# KiCad board peripheral_board_v1a.kicad_pcb (continued)
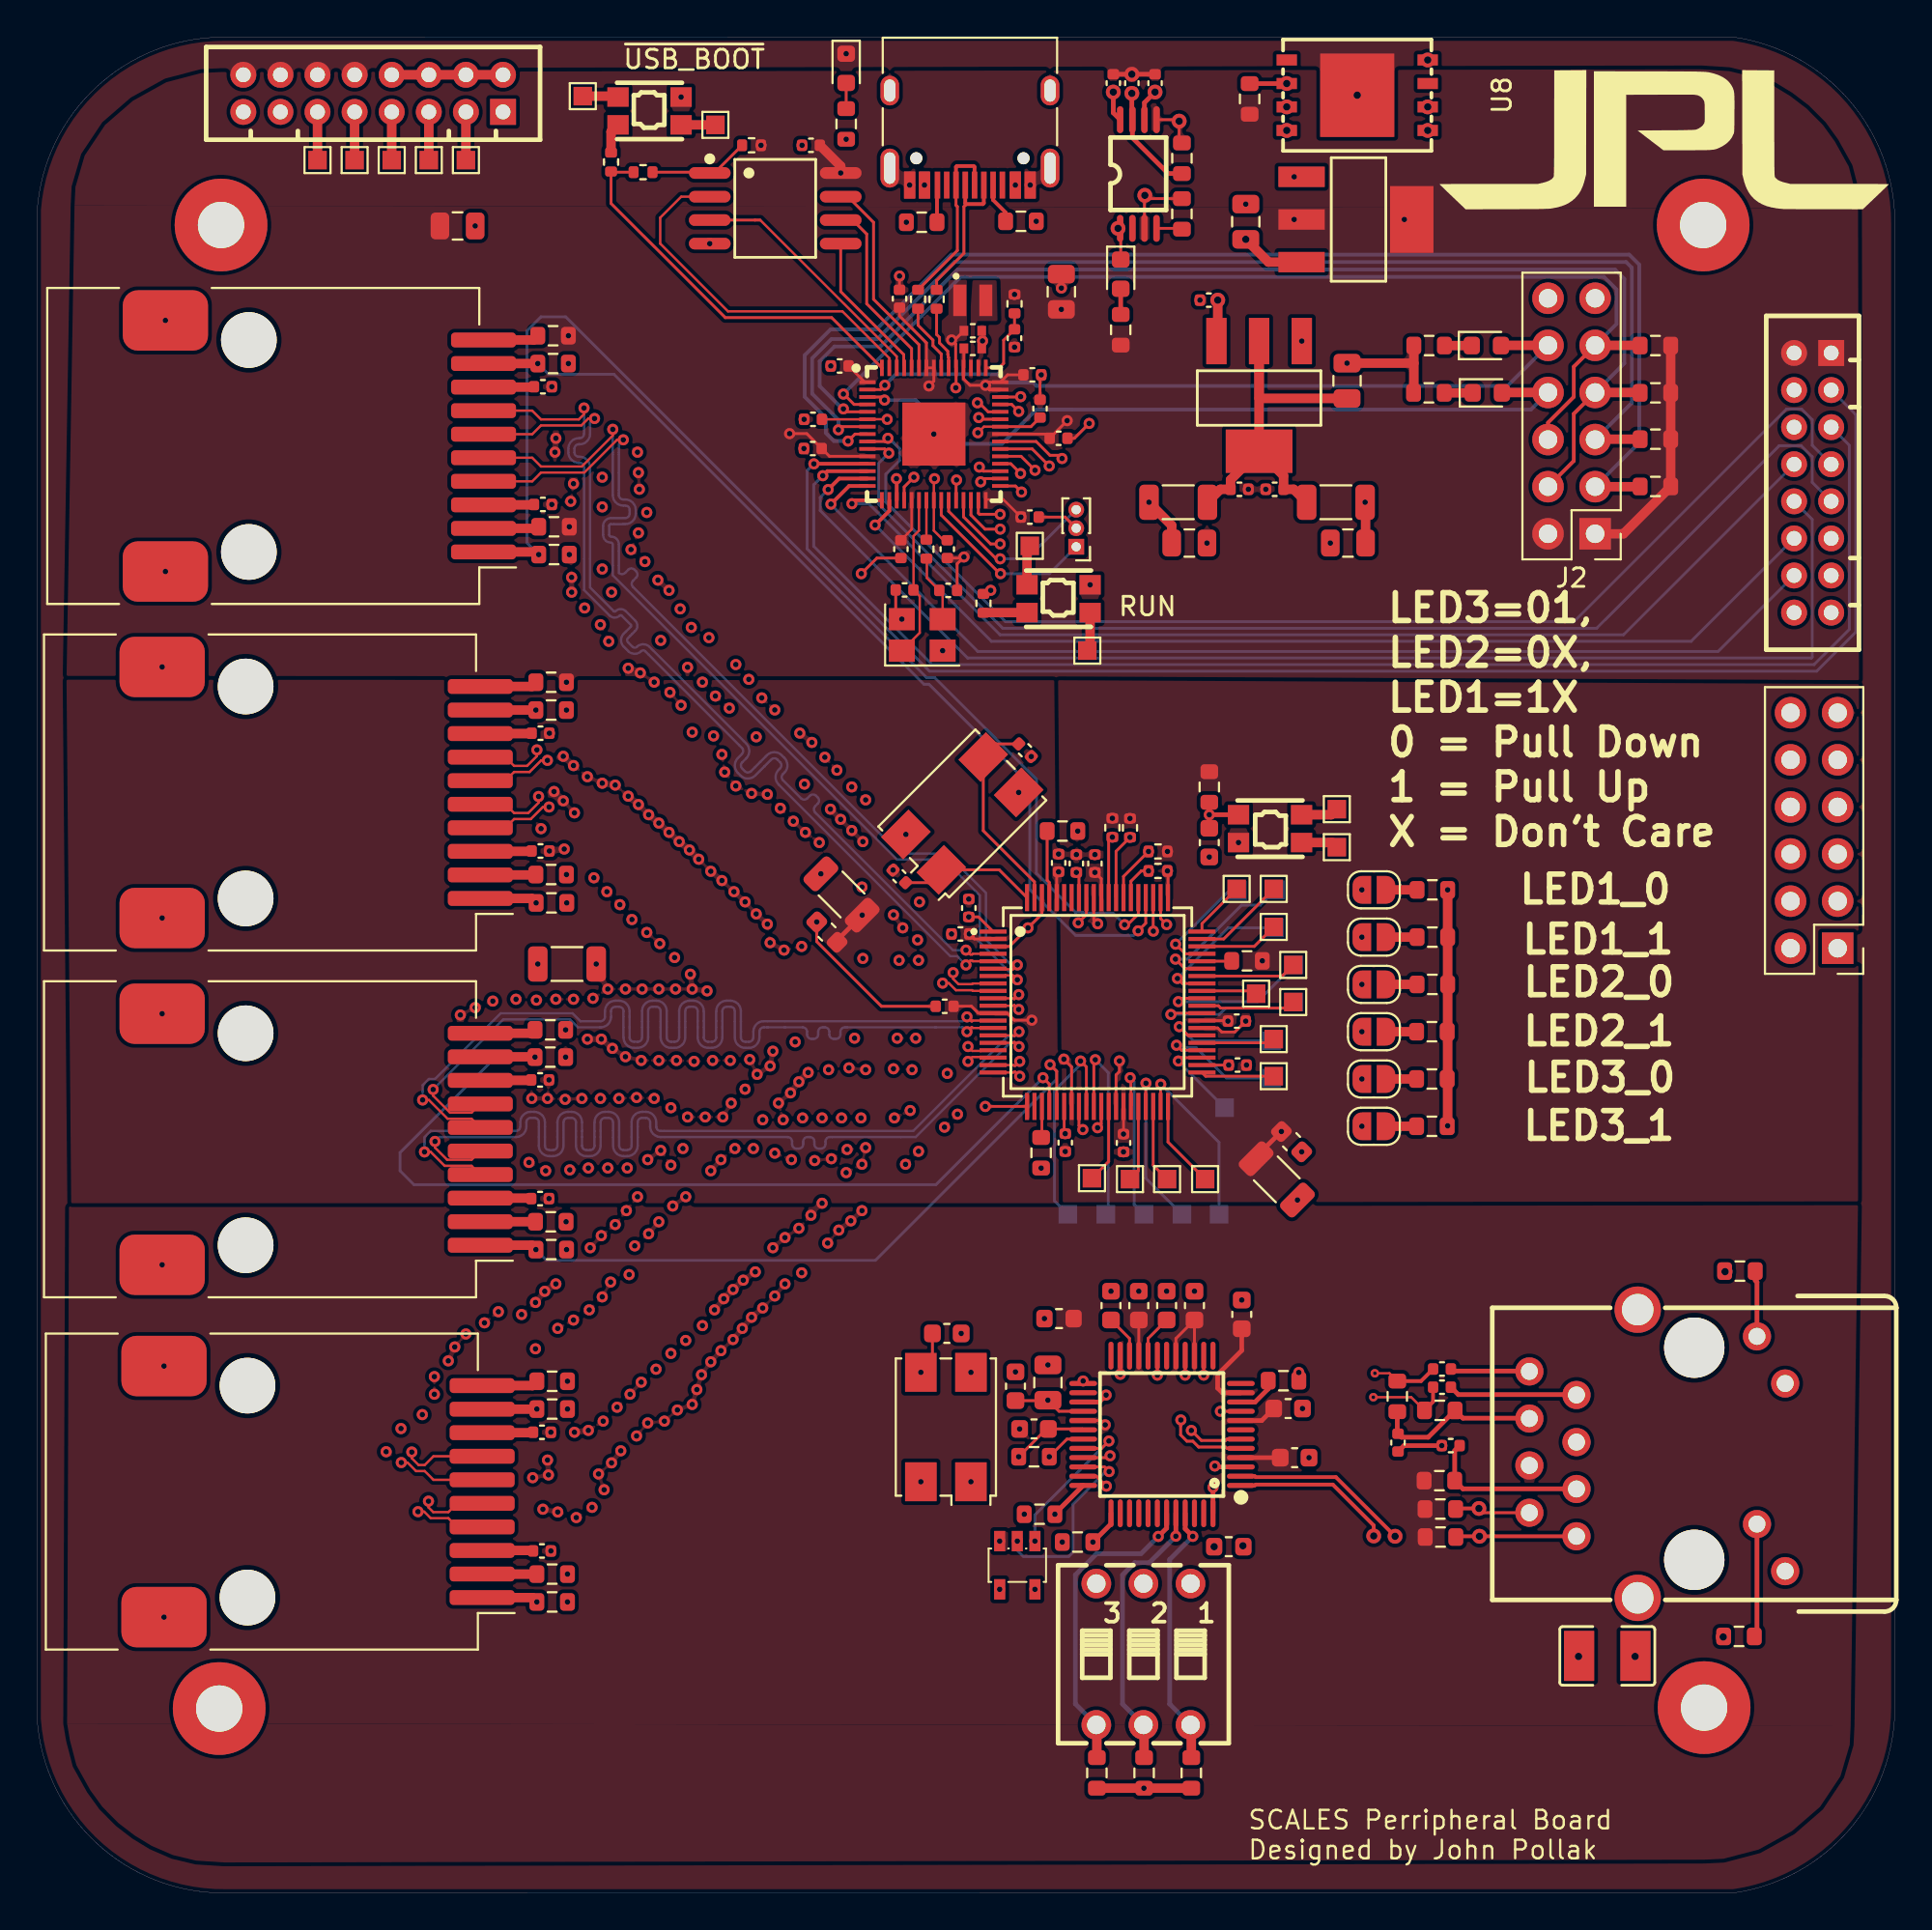
[diagram p0: board, top side]
## Library data of the parts (continued)
R39 = -: Description: Resistor, US symbol; LCSC: C25104; ki_fp_filters: R_*
R40-R45 = -: Description: Resistor, US symbol; Tolerance: 1%; LCSC: C23241; ki_fp_filters: R_*
R64 = -: Description: Resistor, US symbol; LCSC: C849792; ki_fp_filters: R_*
R65 = -: Description: Resistor, US symbol; LCSC: C394473; ki_fp_filters: R_*
RJ1 = -: Datasheet: https://lcsc.com/product-detail/Ethernet-Connectors-Modular-Connectors-RJ45-RJ11_WIZNET-RB1-125BAG1A_C910370.html; LCSC Part: C910370
SW1 SW2 SW4 = -: Datasheet: https://lcsc.com/product-detail/Tactile-Switches_PANASONIC_EVPAA602W_Switch-3-5-2-9-1-7Plastic-head-3-5N-0-15mm-SMD_C79148.html; LCSC Part: C79148
SW3 = -: Datasheet: https://lcsc.com/product-detail/DIP-Switches_HanElectricity-DS-03R_C25503178.html?s_z=n_C25503178; Description: 3 SPST Slide, Rocked Plugin-6P,9.1x9.9mm DIP Switches ROHS; LCSC Part: C25503178
TP1-TP36 = -: Description: test point; ki_fp_filters: Pin* Test*
U1 = -: Datasheet: https://jlcpcb.com/partdetail/RaspberryPi-RP2350A/C42411118; LCSC Part: C42411118; Hardware Guide: extension://efaidnbmnnnibpcajpcglclefindmkaj/https://datasheets.raspberrypi.com/rp2350/hardware-design-with-rp2350.pdf
U2 = -: Datasheet: https://lcsc.com/product-detail/Low-Dropout-Regulators-LDO_DIODES_AZ1117CH-3-3TRG1_AZ1117CH-3-3TRG1_C92102.html; LCSC Part: C92102
U3 = -: Datasheet: https://lcsc.com/product-detail/FLASH_W25Q128JVSIQTR_C97521.html; LCSC Part: C97521
U4 = -: Datasheet: https://lcsc.com/product-detail/Ethernet-ICs_WIZNET_W5500_W5500_C32843.html; LCSC Part: C32843
U5 = -: Datasheet: https://lcsc.com/product-detail/74-Series_TI_SN74AHC1G125DBVR_SN74AHC1G125DBVR_C7468.html; Description: Single Bus Buffer Gate with 3-State Output; LCSC Part: C7468
U6 = -: Datasheet: https://lcsc.com/product-detail/Ethernet-ICs_MICROCHIP_KSZ8795CLXIC_KSZ8795CLXIC_C69416.html; LCSC Part: C69416
U7 = -: Datasheet: https://lcsc.com/product-detail/Low-Dropout-Regulators-LDO_Diodes-Incorporated-AZ1117CH-1-2TRG1_C507895.html; LCSC Part: C507895
U8 = -: Datasheet: https://lcsc.com/product-detail/NAND-FLASH_XTX-XTSDG08GWSIGA_C25836657.html?s_z=n_XTSD; Description: 2.7V~3.6V 50MHz 8Gbit WSON-8-EP(6x8) NAND FLASH ROHS; LCSC Part: C25836657; LCSC Datasheet: https://lcsc.com/datasheet/lcsc_datasheet_2409301733_XTX-XTSDG08GWSIGA_C25836657.pdf; Used for: SD NAND Flash Memory
U9 = -: Datasheet: https://lcsc.com/product-detail/Others_Texas-Instruments_TPS2115APW_Texas-Instruments-TI-TPS2115APW_C70287.html; Description: 2A 2.8V~5.5V TSSOP-8 AC-DC Controllers and Regulators ROHS; LCSC Part: C70287
Y1 = -: Description: Four pin crystal, GND on pins 2 and 4; LCSC: C20625731; ki_fp_filters: Crystal*
Y2 = -: Datasheet: https://jlcpcb.com/partdetail/AbraconLlc-ABMM_25_000MHZ_B2T/C596927; Description: Four pin crystal, GND on pins 2 and 4; Type: ABMM-25.000MHZ-B2-T; LCSC: C596927; ki_fp_filters: Crystal*
Y3 = -: Description: Four pin crystal, GND on pins 2 and 4; ki_fp_filters: Crystal*

## Footprints (pads in the part's own frame, mm; a bottom-side part is the same pattern mirrored in y, then rotated)
C1210
  rect 1.63x2.7 smd: 1(-1.52,0) 2(1.52,0)
C_0402_1005Metric
  rrect 0.56x0.62 smd: 1(-0.48,0) 2(0.48,0)
C_0402_1005Metric_small_pads
  rect 0.47x0.53 smd: 1(-0.48,0) 2(0.48,0)
C_0603_1608Metric
  rrect 0.9x0.95 smd: 1(-0.775,0) 2(0.775,0)
C_0805_2012Metric
  rrect 1x1.45 smd: 1(-0.95,0) 2(0.95,0)
CONN-TH_DF11-16DP-2DSA-08
  rect 1.4x1.4 hole 0.8: 1(7,-1)
  round 1.4 hole 0.8: 2(7,1) 3(5,-1) 4(5,1) 5(3,-1) 6(3,1) 7(1,-1) 8(1,1) 9(-1,-1) 10(-1,1) 11(-3,-1) 12(-3,1) 13(-5,-1) 14(-5,1) 15(-7,-1) 16(-7,1)
Crystal_SMD_3225-4Pin_3.2x2.5mm
  rect 1.4x1.2 smd: 1(-1.1,-0.85) 2(1.1,-0.85) 3(1.1,0.85) 4(-1.1,0.85)
Crystal_SMD_7050-4Pin_7.0x5.0mm
  rect 2.1x1.7 smd: 1(-2.95,-1.35) 2(2.95,-1.35) 3(2.95,1.35) 4(-2.95,1.35)
IND-SMD_L2.0-W1.6_AOTA-B201610S3R3-101-T
  rect 0.7x1.7 smd: 1(-0.65,-0.05) 2(0.75,-0.05)
KEY-TH_4P-L3.5-W4.9-P2.80-LS4.3
  rect 1.15x1.05 smd: 1(-1.7,0.75) 1'(1.7,0.75) 2(-1.7,-0.75) 2'(1.7,-0.75)
L_0603_1608Metric
  rrect 0.875x0.95 smd: 1(-0.787,0) 2(0.787,0)
L_1206_3216Metric
  rrect 1.05x1.9 smd: 1(-1.575,0) 2(1.575,0)
LED_0603_1608Metric
  rrect 0.875x0.95 smd: 1(-0.787,0) 2(0.787,0)
LQFP-48_L7.0-W7.0-P0.50-LS9.0-BL
  oval 0.27x1.5 smd: 1(-2.75,-4.25) 2(-2.25,-4.25) 3(-1.75,-4.25) 4(-1.25,-4.25) 5(-0.75,-4.25) 6(-0.25,-4.25) 7(0.25,-4.25) 8(0.75,-4.25) 9(1.25,-4.25) 10(1.75,-4.25) 11(2.25,-4.25) 12(2.75,-4.25) 25(2.75,4.25) 26(2.25,4.25) 27(1.75,4.25) 28(1.25,4.25) 29(0.75,4.25) 30(0.25,4.25) 31(-0.25,4.25) 32(-0.75,4.25) 33(-1.25,4.25) 34(-1.75,4.25) 35(-2.25,4.25) 36(-2.75,4.25)
  oval 1.5x0.27 smd: 13(4.25,-2.75) 14(4.25,-2.25) 15(4.25,-1.75) 16(4.25,-1.25) 17(4.25,-0.75) 18(4.25,-0.25) 19(4.25,0.25) 20(4.25,0.75) 21(4.25,1.25) 22(4.25,1.75) 23(4.25,2.25) 24(4.25,2.75) 37(-4.25,2.75) 38(-4.25,2.25) 39(-4.25,1.75) 40(-4.25,1.25) 41(-4.25,0.75) 42(-4.25,0.25) 43(-4.25,-0.25) 44(-4.25,-0.75) 45(-4.25,-1.25) 46(-4.25,-1.75) 47(-4.25,-2.25) 48(-4.25,-2.75)
LQFP-80_L10.0-W10.0-P0.40-LS12.2-BL
  rect 0.22x1.46 smd: 1(-3.8,-5.63) 2(-3.4,-5.63) 3(-3,-5.63) 4(-2.6,-5.63) 5(-2.2,-5.63) 6(-1.8,-5.63) 7(-1.4,-5.63) 8(-1,-5.63) 9(-0.6,-5.63) 10(-0.2,-5.63) 11(0.2,-5.63) 12(0.6,-5.63) 13(1,-5.63) 14(1.4,-5.63) 15(1.8,-5.63) 16(2.2,-5.63) 17(2.6,-5.63) 18(3,-5.63) 19(3.4,-5.63) 20(3.8,-5.63) 41(3.8,5.63) 42(3.4,5.63) 43(3,5.63) 44(2.6,5.63) 45(2.2,5.63) 46(1.8,5.63) 47(1.4,5.63) 48(1,5.63) 49(0.6,5.63) 50(0.2,5.63) 51(-0.2,5.63) 52(-0.6,5.63) 53(-1,5.63) 54(-1.4,5.63) 55(-1.8,5.63) 56(-2.2,5.63) 57(-2.6,5.63) 58(-3,5.63) 59(-3.4,5.63) 60(-3.8,5.63)
  rect 1.46x0.22 smd: 21(5.63,-3.8) 22(5.63,-3.4) 23(5.63,-3) 24(5.63,-2.6) 25(5.63,-2.2) 26(5.63,-1.8) 27(5.63,-1.4) 28(5.63,-1) 29(5.63,-0.6) 30(5.63,-0.2) 31(5.63,0.2) 32(5.63,0.6) 33(5.63,1) 34(5.63,1.4) 35(5.63,1.8) 36(5.63,2.2) 37(5.63,2.6) 38(5.63,3) 39(5.63,3.4) 40(5.63,3.8) 61(-5.63,3.8) 62(-5.63,3.4) 63(-5.63,3) 64(-5.63,2.6) 65(-5.63,2.2) 66(-5.63,1.8) 67(-5.63,1.4) 68(-5.63,1) 69(-5.63,0.6) 70(-5.63,0.2) 71(-5.63,-0.2) 72(-5.63,-0.6) 73(-5.63,-1) 74(-5.63,-1.4) 75(-5.63,-1.8) 76(-5.63,-2.2) 77(-5.63,-2.6) 78(-5.63,-3) 79(-5.63,-3.4) 80(-5.63,-3.8)
MountingHole_2.5mm_Pad
  round 5 hole 2.5: 1(0,0)
PinHeader_1x03_P1.00mm_Vertical
  rect 0.85x0.85 hole 0.5: 1(0,0)
  round 0.85 hole 0.5: 2(0,-1) 3(0,-2)
PinHeader_2x06_P2.54mm_Vertical
  rect 1.7x1.7 hole 1: 1(0,0)
  round 1.7 hole 1: 2(2.54,0) 3(0,-2.54) 4(2.54,-2.54) 5(0,-5.08) 6(2.54,-5.08) 7(0,-7.62) 8(2.54,-7.62) 9(0,-10.16) 10(2.54,-10.16) 11(0,-12.7) 12(2.54,-12.7)
QFN-60_L7.0-W7.0-P0.40-TL-EP3.4
  rect 0.88x0.2 smd: 1(-3.58,2.8) 2(-3.58,2.4) 3(-3.58,2) 4(-3.58,1.6) 5(-3.58,1.2) 6(-3.58,0.8) 7(-3.58,0.4) 8(-3.58,0) 9(-3.58,-0.4) 10(-3.58,-0.8) 11(-3.58,-1.2) 12(-3.58,-1.6) 13(-3.58,-2) 14(-3.58,-2.4) 15(-3.58,-2.8) 31(3.58,-2.8) 32(3.58,-2.4) 33(3.58,-2) 34(3.58,-1.6) 35(3.58,-1.2) 36(3.58,-0.8) 37(3.58,-0.4) 38(3.58,0) 39(3.58,0.4) 40(3.58,0.8) 41(3.58,1.2) 42(3.58,1.6) 43(3.58,2) 44(3.58,2.4) 45(3.58,2.8)
  rect 0.2x0.88 smd: 16(-2.8,-3.57) 17(-2.4,-3.57) 18(-2,-3.57) 19(-1.6,-3.57) 20(-1.2,-3.57) 21(-0.8,-3.57) 22(-0.4,-3.57) 23(0,-3.57) 24(0.4,-3.57) 25(0.8,-3.57) 26(1.2,-3.57) 27(1.6,-3.57) 28(2,-3.57) 29(2.4,-3.57) 30(2.8,-3.57) 46(2.8,3.57) 47(2.4,3.57) 48(2,3.57) 49(1.6,3.57) 50(1.2,3.57) 51(0.8,3.57) 52(0.4,3.57) 53(0,3.57) 54(-0.4,3.57) 55(-0.8,3.57) 56(-1.2,3.57) 57(-1.6,3.57) 58(-2,3.57) 59(-2.4,3.57) 60(-2.8,3.57)
  rect 3.4x3.4 smd: 61(0,0)
R_0402_1005Metric
  rrect 0.54x0.64 smd: 1(-0.51,0) 2(0.51,0)
R_0603_1608Metric
  rrect 0.8x0.95 smd: 1(-0.825,0) 2(0.825,0)
RJ45-TH_RB1-125BAG1A
  round 3.25 hole 3.25: (-5.72,-1.99) (5.72,-1.99)
  round 1.52 hole 0.914: 1(-4.45,4.36) 2(-3.18,6.9) 3(-1.9,4.36) 4(-0.63,6.9) 5(0.63,4.36) 6(1.9,6.9) 7(3.17,4.36) 8(4.44,6.9) 9(-3.79,-5.37) 10(-6.33,-6.89) 11(6.33,-5.37) 12(3.79,-6.89)
  round 2.5 hole 1.7: 13(-7.77,1.06) 14(7.77,1.06)
RJ45_Pulse_JXD6-0001NL_Horizontal
  round 3 hole 3 unplated: (0.775,5.715) (0.775,-5.715)
  rrect 3.5x0.8 smd: 1(-11.875,5.715) 2(-11.875,4.445) 3(-11.875,3.175) 4(-11.875,1.905) 5(-11.875,0.635) 6(-11.875,-0.635) 7(-11.875,-1.905) 8(-11.875,-3.175) 9(-11.875,-4.445) 10(-11.875,-5.715)
  rrect 4.6x3.26 smd: SH(5.275,6.77) SH(5.275,-6.77)
SOIC-8_L5.3-W5.3-P1.27-LS8.0-BL
  oval 0.63x2.25 smd: 1(-1.91,-3.53) 2(-0.63,-3.53) 3(0.63,-3.53) 4(1.9,-3.53) 5(1.9,3.53) 6(0.63,3.53) 7(-0.63,3.53) 8(-1.91,3.53)
SolderJumper-2_P1.3mm_Open_RoundedPad1.0x1.5mm
  custom 1x1.5 smd: 1(-0.65,0) 2(0.65,0)
SOT-23-5_L3.0-W1.7-P0.95-LS2.8-BR
  rect 1.1x0.6 smd: 1(1.3,-0.95) 2(1.3,0) 3(1.3,0.95) 4(-1.3,0.95) 5(-1.3,-0.95)
SOT-223-3_L6.5-W3.4-P2.30-LS7.0-BR
  rect 2.5x1.1 smd: 1(2.97,-2.3) 2(2.97,0) 3(2.97,2.3)
  rect 2.34x3.6 smd: 4(-2.97,0)
SW-TH_DSWB03LHGET
  round 1.6 hole 1: 1(-2.54,3.81) 2(0,3.81) 3(2.54,3.81) 4(-2.54,-3.81) 5(0,-3.81) 6(2.54,-3.81)
TestPoint_Pad_1.0x1.0mm
  rect 1x1 smd: 1(0,0)
TSSOP-8_L4.4-W3.0-P0.65-LS6.4-BL
  oval 0.35x1.45 smd: 1(-0.98,-2.93) 2(-0.32,-2.93) 3(0.33,-2.93) 4(0.98,-2.93) 5(0.98,2.93) 6(0.33,2.93) 7(-0.32,2.93) 8(-0.98,2.93)
USB_C_Receptacle_HRO_TYPE-C-31-M-12
  round 0.65 hole 0.65 unplated: (-2.89,2.6) (2.89,2.6)
  rect 0.6x1.45 smd: A1(-3.25,4.045) A4(-2.45,4.045) A9(2.45,4.045) A12(3.25,4.045) B1(3.25,4.045) B4(2.45,4.045) B9(-2.45,4.045) B12(-3.25,4.045)
  rect 0.3x1.45 smd: A5(-1.25,4.045) A6(-0.25,4.045) A7(0.25,4.045) A8(1.25,4.045) B5(1.75,4.045) B6(0.75,4.045) B7(-0.75,4.045) B8(-1.75,4.045)
  oval 1x2.1 hole 0.6x1.7: S1(-4.32,3.13) S1(4.32,3.13)
  oval 1x1.6 hole 0.6x1.2: S1(-4.32,-1.05) S1(4.32,-1.05)
W-PDFN-8_L8.0-W6.0-P1.27-BL-EP
  rect 0.6x1.1 smd: 1(-1.9,-3.8) 2(-0.63,-3.8) 3(0.63,-3.8) 4(1.9,-3.8) 5(1.9,3.8) 6(0.63,3.8) 7(-0.63,3.8) 8(-1.9,3.8)
  rect 4.5x4 smd: 9(0,0)

## Nets
3V3A: C24.2 C25.2 C27.2 C28.2 C30.2 FB1.2 R30.2 R31.2 R32.2 U4.4 U4.8 U4.11 U4.15 U4.17 U4.21
+1V1: C2.1 C3.1 C6.1 C8.1 L1.1 U1.6 U1.23 U1.39 U1.50
+3V3: C1.1 C9.1 C10.1 C11.1 C12.1 C13.1 C14.1 C15.1 C17.2 C18.1 C19.1 C22.2 C23.2 CN2.1 CN2.2 FB1.1 FB5.1 FB7.1 J2.1 J2.2 J3.1 J3.2 R2.2 R7.2 R9.2 R10.2 R12.2 R14.1 R19.2 R20.2 R21.2 R22.2 R23.2 R27.2 R29.1 R47.2 R49.2 R51.2 R53.2 R55.2 R57.2 R59.2 R61.2 R63.1 R66.2 U1.1 U1.11 U1.20 U1.30 U1.38 U1.44 U1.45 U1.49 U1.53 U1.54 U2.2 U2.4 U3.8 U4.28 U5.5 U8.8
GND: C1.2 C2.2 C3.2 C4.1 C5.1 C6.2 C7.2 C8.2 C9.2 C10.2 C11.2 C12.2 C13.2 C14.2 C15.2 C16.1 C17.1 C18.2 C19.2 C22.1 C23.1 C26.1 C29.1 C34.2 C36.1 C37.1 C38.1 C39.1 C40.1 C41.1 C42.1 C43.1 C44.1 C45.2 C46.2 C47.1 C48.1 C49.1 C50.1 C51.2 C52.1 C53.2 C54.1 C55.1 C56.2 C57.2 C58.2 C59.2 C60.2 C61.2 C62.2 C63.2 C64.2 C65.2 C66.2 C67.1 CN1.10 CN1.12 CN1.14 CN1.16 CN2.15 CN2.16 D1.1 FB2.1 FB3.2 J1.2 J2.11 J2.12 J3.11 J3.12 J4.A1 J4.A12 J4.B1 J4.B12 J4.S1 R11.2 R13.2 R16.1 R17.1 R35.2 R39.1 R40.2 R41.2 R42.2 R43.2 R44.2 R45.2 R48.2 R50.2 R52.2 R54.2 R56.2 R58.2 R60.2 R62.2 R64.1 R65.1 RJ1.4 RJ1.5 SW1.2 SW2.2 SW3.4 SW3.5 SW3.6 SW4.2 U1.47 U1.61 U2.1 U3.4 U4.23 U4.29 U5.3 U6.3 U6.21 U6.27 U6.33 U6.47 U6.61 U6.71 U6.78 U7.1 U8.4 U8.9 U9.3 U9.5 Y1.2 Y1.4 Y2.2 Y2.4 Y3.2 Y3.4
GNDA: C20.2 C21.2 C24.1 C25.1 C27.1 C28.1 C30.1 C31.1 C35.1 FB2.2 R18.1 U4.3 U4.9 U4.14 U4.16 U4.19 U4.48
VBUS: C65.1 J4.A4 J4.A9 J4.B4 J4.B9 R8.2 U9.8
VDDAT: C38.2 C39.2 C41.2 C53.1 FB5.2 U6.2 U6.12 U6.76
VDDIO: C37.2 C44.2 C47.2 C56.1 FB7.2 R33.1 R34.1 R36.2 R37.2 R38.2 R46.1 U6.34 U6.48 U6.70
1.2A: C40.2 C54.2 FB4.2 U6.1
1.2D: C36.2 C42.2 C43.2 C55.2 FB6.2 U6.26 U6.42 U6.73
/Raspberry_pi/ QSPI_SS: R1.1 R15.1 U1.60
/Raspberry_pi/FLASH_SS: R15.2 R63.2 U3.1
/Raspberry_pi/QSPI_DATA_0: U1.57 U3.5
/Raspberry_pi/QSPI_DATA_1: U1.59 U3.2
/Raspberry_pi/QSPI_DATA_2: U1.58 U3.3
/Raspberry_pi/QSPI_DATA_3: U1.55 U3.7
/Raspberry_pi/QSPI_SCK: U1.56 U3.6
/Raspberry_pi/~{USB_BOOT}: R1.2 SW1.1'
CGND: C34.1 RJ1.13 RJ1.14
Chassis_GND: FB3.1 J5.SH J6.SH J7.SH J8.SH
D+: J4.A6 J4.B6 R5.1
D-: J4.A7 J4.B7 R6.1
GPIO14: CN1.13 U1.18
GPIO15: CN1.15 U1.19
GPIO22: J3.3 U1.34
GPIO23: J3.5 U1.35
GPIO24: J3.7 U1.36
GPIO25: J3.9 U1.37
GPIO28_ADC2: J3.8 U1.42
GPIO29_ADC3: J3.10 U1.43
GREEN_LED: RJ1.10 U4.25
I2C0_SCL: J2.3 R7.1 U1.8
I2C0_SDA: J2.5 R9.1 U1.7
I2C1_SCL: J2.4 J2.7 R10.1 U1.5
I2C1_SDA: J2.6 J2.9 R12.1 U1.4
INTn: R23.1 U1.33 U4.36
INTR_N: R33.2 U6.23
LED1_0: J5.1 JP1.1 R50.1 U6.65
LED1_1: J5.9 JP2.1 R48.1 U6.64
LED2_0: J6.1 JP3.1 R54.1 U6.63
LED2_1: J6.9 JP4.1 R52.1 U6.62
LED3_0: J7.1 JP5.1 R58.1 U6.25
LED3_1: J7.9 JP6.1 R56.1 U6.24
LED4_0: J8.1 R62.1 U6.31
LED4_1: J8.9 R60.1 U6.28
PME_N: R34.2 U6.56
PMODE0: R21.1 SW3.1 U4.45
PMODE1: R20.1 SW3.2 U4.44
PMODE2: R19.1 SW3.3 U4.43
R1CT: C58.1 J5.8
R2CT: C60.1 J6.8
R3CT: C62.1 J7.8
R4CT: C64.1 J8.8
RCT: C31.2 R26.1 R28.1 RJ1.6
RST_N: C51.1 R46.2 SW4.1 U6.72
RSTn: R22.1 U1.32 U4.37
RX: D2.2 J2.8 U1.3
RX1+: J5.6 U6.4
RX1-: J5.7 U6.5
RX2+: J6.6 U6.8
RX2-: J6.7 U6.9
RX3+: J7.6 U6.13
RX3-: J7.7 U6.14
RX4+: J8.6 U6.17
RX4-: J8.7 U6.18
RX +: C32.1 R26.2 U4.6
RX -: C33.1 R28.2 U4.5
SPI0_CS0: R14.2 U1.28 U8.2
SPI0_CS1: J3.4 U1.40 U4.32 U5.1
SPI0_ETHER: U4.34 U5.2
SPI0_MISO: U1.27 U5.4 U8.6
SPI0_MOSI: U1.31 U4.35 U8.5
SPI0_SCK: U1.29 U4.33 U8.3
SPI1_CS1: CN2.12 R36.1 U1.17 U6.69
SPI1_RX: CN2.8 R37.1 U1.16 U6.68
SPI1_SCK: CN2.10 R38.1 U1.14 U6.67
SPI1_TX: CN2.14 R39.2 U1.15 U6.66
STAT: D4.1 J3.6 U1.41 U9.1
SWCLK: J1.1 U1.24
SWD: J1.3 U1.25
T1CT: C57.1 J5.3
T2CT: C59.1 J6.3
T3CT: C61.1 J7.3
T4CT: C63.1 J8.3
TCT: C35.2 R30.1 RJ1.3
TX: D3.2 J2.10 U1.2
TX1+: J5.4 U6.6
TX1-: J5.5 U6.7
TX2+: J6.4 U6.10
TX2-: J6.5 U6.11
TX3+: J7.4 U6.15
TX3-: J7.5 U6.16
TX4+: J8.4 U6.19
TX4-: J8.5 U6.20
TX +: R32.1 RJ1.1 U4.2
TX -: R31.1 RJ1.2 U4.1
UART1_CTS: CN2.7 U1.9
UART1_RTS: CN2.9 U1.10
UART1_RX: CN2.5 U1.13
UART1_TX: CN2.3 U1.12
VEPS: C66.1 CN1.2 CN1.4 CN1.6 CN1.8 U9.6
VOUT: C16.2 C48.2 C67.2 R64.2 U2.3 U7.3 U9.7
YELLOW_LED: RJ1.12 U4.27
Net-(C5-Pad2): C5.2 R4.1 Y1.3
Net-(C32-Pad2): C32.2 RJ1.7
Net-(C33-Pad2): C33.2 RJ1.8
Net-(C49-Pad2): C49.2 C50.2 C52.2 FB4.1 FB6.1 U7.2 U7.4
Net-(CN1-Pad3): CN1.3 TP5.1
Net-(CN1-Pad5): CN1.5 TP6.1
Net-(CN1-Pad7): CN1.7 TP7.1
Net-(CN1-Pad9): CN1.9 TP8.1
Net-(CN1-Pad11): CN1.11 TP9.1
Net-(D1-A): D1.2 R8.1
Net-(D2-K): D2.1 R11.1
Net-(D3-K): D3.1 R13.1
Net-(D4-A): D4.2 R66.1
Net-(J4-CC1): J4.A5 R16.2
Net-(J4-CC2): J4.B5 R17.2
Net-(J5-Pad2): J5.2 R49.1
Net-(J5-Pad10): J5.10 R47.1
Net-(J6-Pad2): J6.2 R53.1
Net-(J6-Pad10): J6.10 R51.1
Net-(J7-Pad2): J7.2 R57.1
Net-(J7-Pad10): J7.10 R55.1
Net-(J8-Pad2): J8.2 R61.1
Net-(J8-Pad10): J8.10 R59.1
Net-(JP1-B): JP1.2 R40.1
Net-(JP2-B): JP2.2 R41.1
Net-(JP3-B): JP3.2 R42.1
Net-(JP4-B): JP4.2 R43.1
Net-(JP5-B): JP5.2 R44.1
Net-(JP6-B): JP6.2 R45.1
Net-(R3-Pad2): R3.2 SW2.1'
Net-(RJ1-LLED+): R29.2 RJ1.9
Net-(RJ1-RLED+): R27.1 RJ1.11
Net-(SW1-Pad1): SW1.1 TP2.1
Net-(SW1-Pad2'): SW1.2' TP3.1
Net-(SW2-Pad1): SW2.1 TP1.1
Net-(SW2-Pad2'): SW2.2' TP4.1
Net-(SW4-Pad1'): SW4.1' TP35.1
Net-(SW4-Pad2'): SW4.2' TP36.1
Net-(U1-RUN): R3.1 U1.26
Net-(U1-USB_DM): R6.2 U1.51
Net-(U1-USB_DP): R5.2 U1.52
Net-(U1-VREG_AVDD): C7.1 R2.1 U1.46
Net-(U1-VREG_LX): L1.2 U1.48
Net-(U1-XIN): C4.2 U1.21 Y1.1
Net-(U1-XOUT): R4.2 U1.22
Net-(U4-1V2O): C21.1 U4.22
Net-(U4-EXRES1): R18.2 U4.10
Net-(U4-TOCAP): C20.1 U4.20
Net-(U4-XI/CLKIN): C26.2 R25.1 U4.30 Y2.1
Net-(U4-XO): C29.2 R25.2 U4.31 Y2.3
Net-(U6-COL5): TP24.1 U6.54
Net-(U6-CRS5): TP25.1 U6.53
Net-(U6-ISET): R35.1 U6.77
Net-(U6-REFCLKO): TP23.1 U6.55
Net-(U6-RXC5/GRXC5): TP32.1 U6.44
Net-(U6-RXD5_0): TP31.1 U6.45
Net-(U6-RXD5_1): TP30.1 U6.46
Net-(U6-RXD5_2): TP29.1 U6.49
Net-(U6-RXD5_3): TP28.1 U6.50
Net-(U6-RXD5_4): TP22.1 U6.57
Net-(U6-RXD5_5): TP21.1 U6.58
Net-(U6-RXD5_6): TP20.1 U6.59
Net-(U6-RXD5_7): TP19.1 U6.60
Net-(U6-RXDV5/CRSDV5/RXD5_CTL): TP27.1 U6.51
Net-(U6-RXER5): TP26.1 U6.52
Net-(U6-TXC5/REFCLKI5/GTXC5): TP33.1 U6.43
Net-(U6-TXD5_0): TP11.1 U6.30
Net-(U6-TXD5_1): TP12.1 U6.32
Net-(U6-TXD5_2): TP13.1 U6.35
Net-(U6-TXD5_3): TP14.1 U6.36
Net-(U6-TXD5_4): TP16.1 U6.38
Net-(U6-TXD5_5): TP17.1 U6.39
Net-(U6-TXD5_6): TP18.1 U6.40
Net-(U6-TXD5_7): TP34.1 U6.41
Net-(U6-TXEN5/TXDS5_CTL): TP10.1 U6.29
Net-(U6-TXER5): TP15.1 U6.37
Net-(U6-XI): C46.1 U6.79 Y3.3
Net-(U6-XO): C45.1 U6.80 Y3.1
Net-(U9-ILIM): R65.2 U9.4

Pads without a net: CN1 1; CN2 4 6 11 13; H1 1; H2 1; H3 1; H4 1; J4 A8 B8; U4 7 12 13 18 24 26 38 39 40 41 42 46 47; U6 22 74 75; U8 1 7; U9 2

## Via types
v1: diameter 0.6, hole 0.3, F.Cu_SIG to B.Cu_SIG, 568 vias
v2: diameter 0.8, hole 0.4, F.Cu_SIG to B.Cu_SIG, 26 vias
v3: diameter 0.46, hole 0.2, F.Cu_SIG to B.Cu_SIG, 2 vias

## Routing (per net, layer and track width the routed paths; a pad name or vN(x,y) marks a point on that pad's centre or on a via; arc(x,y) is an arc through that point)
3V3A: length 15.5
  F.Cu_SIG w0.152: U4.17 61.39,29.9 62.39,30.9 U4.15 ; C27.2 U4.21
  F.Cu_SIG w0.25: C24.2 64.94,29.25 63.64,27.95 63.64,27.22 63.89,26.97 U4.11 ; U4.4 C25.2 ; C30.2 66.02,25.47 U4.8
+1V1: length 32.4
  F.Cu_SIG w0.127: U1.39 51.04,79.07 v1(50.72,78.74) ; v1(48.38,76.26) 48.34,76.23 U1.23 48.34,73.46 48.86,72.94 C6.1 ; v1(45.83,79.46) 45.82,79.47 U1.6 ; C3.1 44.76,79.46
  F.Cu_SIG w0.152: C2.1 49.47,83.74 v1(49.3,83.74) 49.52,83.52 49.52,82.26 ; U1.50 49.54,81.18 v1(49.53,81.16) ; U1.39 53.57,79.07 C8.1
  In2.Cu_PWR w0.508: v1(49.53,81.16) 49.53,79.73 50.51,78.74 v1(50.72,78.74) 48.38,76.4 v1(48.38,76.26) 48.38,77 45.91,79.46 v1(45.83,79.46) 47.83,79.46 v1(49.53,81.16) ; v1(49.53,81.16) 49.3,81.39 v1(49.3,83.74)
+3V3: length 59.2
  F.Cu_SIG w0.127: 51.18,75.14 52.09,75.14 v1(53.04,74.19) ; C15.1 46.92,73.29 46.92,73.3 47.14,73.53 U1.20
  F.Cu_SIG w0.152: U1.49 49.94,81.65 50.29,81.3 v1(51.13,81.3) 51.3,81.47 U1.45 52.32,81.86 C14.1 ; U4.28 55.09,25.97 v1(54.49,26.57) 54.47,26.55 52.74,26.55 ; v1(40.57,78.69) 41.49,78.69 C12.1 42.72,77.47 U1.11 ; v1(55.53,79.39) 54.59,78.45 C11.1 54.36,78.67 U1.38 ; C1.1 49.96,82.26 ; U1.1 44.62,81.47 C10.1 ; v1(48.08,81.26) 48.34,81.53 U1.53 U1.54 47.94,83.59 46.49,85.04 C9.1
  F.Cu_SIG w0.2: U1.44 51.36,81.07 v1(51.13,81.3)
  F.Cu_SIG w0.25: 90.97,33.53 90.97,33.53 v2(91,33.5) ; v2(90.9,13.8) 90.92,13.83 R29.1
  F.Cu_SIG w0.508: R21.2 v1(59.67,5.65) R19.2 ; R12.2 R7.2 85.52,73.29 J2.1 ; C19.1 43.32,93.12 v1(43.32,92.75)
  In2.Cu_PWR w0.508: v1(73.71,90.24) 73.71,97.58 v2(74.97,98.84)
  vias: v1(28.54,65.29) v1(28.54,54.92) v1(28.49,46.54) v1(28.52,36.19) v1(28.64,83.97) v1(28.59,27.59) v1(28.59,17.19) v1(28.69,73.67) v1(39.03,94.24) v1(42.25,54.95) v1(52.69,86.2) v1(53.22,20.42) v1(53.79,16.37) v1(54.3,30.97) v1(55.22,85.39) v1(55.27,18.92) v1(67.77,90.24) v1(67.94,37.36)
GND: length 70
  F.Cu_SIG w0.152: C17.1 v1(55.22,86.54) ; C6.2 49.91,71.98 v1(49.97,72.04) 49.6,71.67 C5.1 ; v1(46.62,68.69) 46.29,69.02 C4.1 ; U9.3 59.7,91.52 v2(59.72,91.54) 59.89,91.37 R65.1 ; U4.23 v1(58.39,27.96) ; C39.1 45.52,47.81 42.03,51.3 v1(42.03,52.36) ; C15.2 45.27,71.98 v1(44.43,71.14) ; v1(65.16,47.01) 64.57,46.42 63.86,46.42 63.64,46.64 U6.47 ; U6.78 54.17,52.79 v1(53.42,52.04) 52.42,51.04 U6.3 ; R64.1 61.57,94.52 v2(61.57,95.54) 61.49,95.62 U9.5 ; v1(58.35,44.87) 58.35,44.29 58.17,44.11 U6.33 ; U6.27 55.77,44.55 v1(55.35,44.96) ; v1(54.13,81.86) 54.07,81.8 C8.2 ; v1(51.12,42.41) 52.58,42.41 U6.21 ; U6.71 56.97,52.47 v1(57.18,52.26) ; U4.29 57.35,25.47 v1(57.58,25.24) ; C11.2 55.92,78.44 v1(56.72,79.24) ; C13.2 55.42,74.19 J1.2 ; U6.61 60.97,55.08 v1(60.94,55.11) ; C9.2 v1(46.49,87.19)
  F.Cu_SIG w0.25: FB2.1 65.03,18.7 v2(65,18.72) ; C34.2 v2(83.1,12.75) ; C65.2 C66.2
  F.Cu_SIG w0.508: 74.22,82.49 74.22,80.9 R11.2 ; 74.22,82.49 v1(70.62,82.49) ; 74.22,82.49 R13.2 ; 11.07,98.09 CN1.16 ; v1(76.04,54.09) v1(76.04,41.37) R45.2
  vias: v1(18.82,23.79) v1(19.62,25.04) v1(20.77,25.79) v1(21.42,27.84) v1(21.42,26.89) v1(22.17,28.69) v1(22.52,29.44) v1(22.82,47.34) v1(23.12,30.14) v1(23.62,89.89) v1(23.62,47.74) v1(24.12,30.74) v1(24.57,48.09) v1(24.87,31.34) v1(25.82,48.19) v1(26.12,31.19) v1(26.52,39.39) v1(26.67,42.84) v1(26.72,22.39) v1(26.92,48.14) v1(26.87,31.84) v1(26.87,29.34) v1(27.17,57.39) v1(27.37,32.44) v1(27.27,20.69) v1(27.42,38.94) v1(27.52,42.84) v1(27.52,23.34) v1(27.62,62.54) v1(27.62,56.19) v1(27.6,43.84) v1(27.6,37.44) v1(27.57,22.54) v1(27.75,81.22) v1(27.75,74.87) v1(27.7,24.84) v1(27.7,18.44) v1(27.97,78.44) v1(27.92,77.69) v1(27.87,59.39) v1(27.97,48.19) v1(27.97,32.84) v1(28.07,30.44) v1(28.07,20.54) v1(28.37,61.29) v1(28.37,58.89) v1(28.42,56.29) v1(28.47,42.79) v1(28.54,63.79) v1(28.55,53.39) v1(28.49,45.07) v1(28.54,34.69) v1(28.64,82.47) v1(28.59,26.09) v1(28.59,15.69) v1(28.69,72.17) v1(28.72,38.99) v1(28.77,75.04) v1(28.82,70.94) v1(28.82,70.14) v1(28.92,75.99) v1(28.92,60.79) v1(28.97,58.24) v1(28.92,48.19) v1(28.92,30.89) v1(28.97,24.84) v1(29.07,20.24) v1(29.37,42.84) v1(29.52,69.29) v1(29.67,60.19) v1(29.67,46.04) v1(29.72,39.09) v1(29.72,24.94) v1(29.82,34.79) v1(29.77,31.44) v1(29.97,48.24) v1(29.92,20.79) v1(30.02,54.74) v1(30.14,50.09) v1(30.37,68.39) v1(30.37,42.84) v1(30.27,22.59) v1(30.47,76.34) v1(30.47,74.74) v1(30.47,71.39) v1(30.47,59.84) v1(30.42,46.04) v1(30.42,35.44) v1(30.47,32.14) v1(30.52,25.44) v1(30.57,21.74) v1(30.72,53.99) v1(30.82,67.49) v1(30.77,48.74) v1(30.77,39.09) v1(30.97,70.14) v1(30.92,32.94) v1(30.97,23.19) v1(31.02,45.54) v1(31.17,59.74) v1(31.17,36.04) v1(31.37,42.84) v1(31.27,26.19) v1(31.42,53.29) v1(31.47,23.84) v1(31.72,48.74) v1(31.72,45.09) v1(31.82,39.09) v1(31.77,36.79) v1(31.87,66.04) v1(31.87,59.14) v1(31.92,33.34) v1(31.97,26.89) v1(32.02,72.44) v1(32.07,52.49) v1(32.22,34.89) v1(32.37,77.69) v1(32.32,42.89) v1(32.37,37.54) v1(32.32,24.64) v1(32.42,76.59) v1(32.47,75.69) v1(32.42,73.34) v1(32.42,58.69) v1(32.52,65.79) v1(32.57,44.89) v1(32.57,27.54) v1(32.62,48.74) v1(32.77,71.79) v1(32.87,74.44) v1(32.97,58.14) v1(32.87,51.79) v1(32.92,39.54) v1(32.97,35.54) v1(32.92,25.34) v1(33.27,65.29) v1(33.27,42.84) v1(33.37,28.24) v1(33.47,70.79) v1(33.52,57.69) v1(33.57,51.19) v1(33.52,48.74) v1(33.52,44.89) v1(33.52,36.19) v1(33.62,67.54) v1(33.62,40.04) v1(33.82,25.44) v1(34.07,70.24) v1(34.07,57.19) v1(34.12,64.74) v1(34.17,42.34) v1(34.17,39.24) v1(34.17,29.09) v1(34.37,50.44) v1(34.27,37.04) v1(34.42,48.74) v1(34.47,44.89) v1(34.52,26.04) v1(34.62,56.69) v1(34.72,96.84) v1(34.67,69.24) v1(34.72,64.04) v1(34.82,40.14) v1(34.97,37.54) v1(34.97,29.79) v1(35.07,66.09) v1(35.07,41.84) v1(35.17,56.24) v1(35.22,49.54) v1(35.27,68.24) v1(35.32,62.59) v1(35.32,48.74) v1(35.32,26.34) v1(35.42,44.84) v1(35.57,27.14) v1(35.67,55.74) v1(35.82,27.94) v1(35.87,65.29) v1(35.87,30.59) v1(36.02,41.84) v1(36.12,48.64) v1(36.26,88.94) v1(36.22,67.69) v1(36.32,55.09) v1(36.32,38.94) v1(36.32,28.64) v1(36.47,62.39) v1(36.42,44.89) v1(36.57,64.54) v1(36.52,31.44) v1(36.92,61.39) v1(36.92,54.59) v1(36.97,41.84) v1(36.87,39.54) v1(36.87,29.24) v1(37.07,60.44) v1(37.02,32.04) v1(37.32,63.89) v1(37.37,44.89) v1(37.42,42.59) v1(37.57,53.99) v1(37.52,32.54) v1(37.52,29.84) v1(37.62,40.14) v1(37.67,66.24) v1(37.67,59.69) v1(38.07,33.04) v1(38.02,30.44) v1(38.17,53.44) v1(38.17,43.34) v1(38.37,65.44) v1(38.42,44.94) v1(38.52,59.29) v1(38.52,31.04) v1(38.62,40.14) v1(38.72,33.49) v1(38.77,62.34) v1(38.77,52.79) v1(38.82,44.14) v1(39.07,64.44) v1(39.12,41.69) v1(39.12,31.54) v1(39.37,59.24) v1(39.37,52.24) v1(39.52,51.24) v1(39.52,44.59) v1(39.67,45.39) v1(39.67,34.79) v1(39.77,63.79) v1(39.77,39.89) v1(39.77,32.19) v1(39.97,42.59) v1(40.07,58.49) v1(40.22,41.69) v1(40.27,50.84) v1(40.32,35.34) v1(40.32,32.84) v1(40.62,43.14) v1(40.67,39.54) v1(40.77,57.79) v1(40.87,45.89) v1(41.07,43.74) v1(41.07,35.84) v1(41.12,62.54) v1(41.24,94.24) v1(41.22,51.04) v1(41.22,33.44) v1(41.35,79.46) v1(41.34,77.89) v1(41.37,59.79) v1(41.27,41.79) v1(41.42,57.19) v1(41.57,44.24) v1(41.72,36.54) v1(41.77,62.04) v1(41.92,39.49) v1(42.17,56.64) v1(42.32,41.79) v1(42.32,37.19) v1(42.47,61.24) v1(42.62,35.04) v1(42.67,44.39) v1(42.79,82.34) v1(42.77,58.44) v1(42.82,39.59) v1(43.12,60.54) v1(43.22,35.74) v1(43.32,57.89) v1(43.37,41.79) v1(43.62,99.18) v1(43.62,38.84) v1(43.67,40.09) v1(43.77,44.49) v1(43.92,59.64) v1(43.92,57.29) v1(43.87,36.24) v1(44.07,46.09) v1(44.47,54.24) v1(44.42,41.79) v1(44.47,39.29) v1(44.47,36.79) v1(44.52,56.69) v1(44.52,50.39) v1(44.67,58.94) v1(44.67,44.39) v1(44.67,40.19) v1(46.14,55.16) v1(46.17,52.74) v1(46.17,44.44) v1(46.22,41.79) v1(46.37,46.09) v1(46.47,50.29) v1(46.67,52.04) v1(46.86,90.09) v1(46.83,57.08) v1(46.82,39.29) v1(47.04,92.1) v1(47.07,42.19) v1(47.17,44.39) v1(47.37,46.09) v1(47.47,51.39) v1(47.57,53.44) v1(47.52,50.29) v1(47.52,39.99) v1(47.64,22.17) v1(48.34,78.67) v1(48.82,66.99) v1(48.92,41.29) v1(49.07,44.19) v1(49.3,51.71) v1(49.62,41.99) v1(49.82,30.17) v1(50.23,53.59) v1(50.34,28.07) v1(50.97,83.69) v1(51.89,18.97) v1(52.69,83.36) v1(52.74,28.1) v1(52.92,59.34) v1(52.97,25.02) v1(53.54,92.1) v1(53.59,61.28) v1(53.86,90.14) v1(54.49,28.47) v1(55.07,56.02) v1(55.43,39.98) v1(56.03,55.99) v1(56.1,57.26) v1(56.77,70.54) v1(57.03,55.99) v1(58.57,39.96) v1(62.69,85.89) v1(63.07,72.79) v1(63.19,55.86) v1(64.77,56.64) v1(65.16,91.07) v1(65.2,44.64) v1(65.3,75.69) v1(66.24,75.69) v1(67.77,92.54) v1(68.18,83.68) v1(68.17,39.96) v1(69.72,72.79) v2(59.02,98.07) v2(67.37,95.04) v2(71.17,96.94)
GNDA: length 10.1
  F.Cu_SIG w0.127: 73.33,23.76 C31.1
  F.Cu_SIG w0.152: U4.19 v1(60.39,27.92) ; U4.14 v1(62.89,27.92) ; U4.9 v1(63.79,25.97) ; U4.16 v1(61.89,27.92)
  F.Cu_SIG w0.2: R18.1 v1(68.02,28.06)
  F.Cu_SIG w0.25: U4.3 63.54,22.97 v1(63.49,23.02) ; v1(75.73,24.12) 73.69,24.12 C31.1 ; U4.48 v1(63.39,21.87)
  vias: v1(57.89,32.45) v1(59.39,32.45) v1(60.89,32.45) v1(62.39,32.45) v1(64.94,31.97) v1(68.22,26.12) v1(68.57,23.47) v2(63.45,18.67)
VBUS: length 24.7
  F.Cu_SIG w0.2: v2(58.02,97.11) 57.99,97.11 57.87,96.99
  F.Cu_SIG w0.25: U9.8 58.02,95.99 v2(58.02,97.11)
  In2.Cu_PWR w0.508: v1(43.62,94.57) 50.37,94.57 50.42,94.52 ; 50.42,92.1 v1(52.74,92.1) ; 50.42,92.1 v1(47.84,92.1) ; 50.42,92.1 50.42,94.52 ; 50.42,94.52 55.42,94.52 v2(58.02,97.11)
VDDAT: length 30.9
  F.Cu_SIG w0.152: v1(50.26,51.71) 50.53,51.44 U6.2 ; U6.76 54.97,54.96 v1(55.07,55.06) ; C39.2 49.41,47.82 50.37,47.82 50.74,47.44 U6.12 52.3,47.44 52.68,47.06 v1(53.63,47.06)
  F.Cu_SIG w0.25: v1(44.48,52.73) 43.13,51.37 C53.1
  In1.Cu_GND w0.25: v1(50.26,51.71) 49.63,52.34 47.79,52.34 46.76,53.37 45.12,53.37 v1(44.48,52.73)
  In4.Cu_GND w0.152: v1(50.26,51.71) 53.61,55.06 v1(55.07,55.06) 55.07,48.5 v1(53.63,47.06)
VDDIO: length 48.5
  F.Cu_SIG w0.152: v1(57.03,55.03) 57.37,54.69 U6.70 ; U6.48 64.17,47.04 v1(64.2,47.01) ; U6.34 v1(58.57,40.92)
  F.Cu_SIG w0.25: v1(67.08,41.06) 65.72,39.7 FB7.2
  In1.Cu_GND w0.508: v1(54.13,39.09) 56.62,39.09 58.46,40.92 v1(58.57,40.92)
  In2.Cu_PWR w0.508: 61.96,54.36 v1(66.05,50.26) 64.2,48.41 v1(64.2,47.01) 64.2,46.71 67.08,43.83 v1(67.08,41.06) 66.94,40.92 v1(58.57,40.92) ; 61.96,54.36 57.7,54.36 v1(57.03,55.03) ; 61.96,54.36 61.96,55.41 61.21,56.16 v1(60.94,56.16) 60.94,56.21 59.2,57.94 v1(58.92,57.94) 58.91,57.95 v1(57.97,57.95)
1.2A: length 30.8
  F.Cu_SIG w0.152: v1(50.23,52.63) 50.75,52.63 U6.1
  F.Cu_SIG w0.508: 59.92,74.97 59.94,74.99 59.94,74.97 61.17,73.74 C54.2
  In1.Cu_GND w0.508: v1(59.94,74.99) 59.94,62.24 50.33,52.63 v1(50.23,52.63)
1.2D: length 66.4
  F.Cu_SIG w0.152: U6.73 56.17,54.89 v1(56.03,55.03) ; U6.42 v1(64.24,44.64) ; U6.26 55.37,41 v1(55.43,40.94)
  F.Cu_SIG w0.508: v1(71.59,74.99) 71.62,74.97 C55.2
  In1.Cu_GND w0.508: v1(56.03,55.03) 56.03,54.28 56.47,53.84 69.96,53.84 70.66,54.54 ; 70.66,54.54 70.66,74.06 v1(71.59,74.99) ; 70.66,54.54 70.66,51.17 64.24,44.75 v1(64.24,44.64) 62.45,42.86 57,42.86 55.43,41.28 v1(55.43,40.94)
/Raspberry_pi/ QSPI_SS: length 21.2
  F.Cu_SIG w0.152: R15.1 30.98,92.79 R1.1 30.94,91.11 37.1,84.95 42.83,84.95 U1.60
/Raspberry_pi/FLASH_SS: length 5.5
  F.Cu_SIG w0.152: R15.2 36.22,92.79 U3.1 36.51,92.75 R63.2
/Raspberry_pi/QSPI_DATA_0: length 7.9
  F.Cu_SIG w0.152: U3.5 43.32,86.35 46.72,82.95 46.72,82.44
/Raspberry_pi/QSPI_DATA_1: length 20
  F.Cu_SIG w0.127: U3.2 34.72,91.47 33.59,90.34 33.59,88.94 37.24,85.29 43.41,85.29 45.94,82.76 U1.59
/Raspberry_pi/QSPI_DATA_2: length 14
  F.Cu_SIG w0.127: U1.58 46.34,82.85 38.98,90.21 38.69,90.21
  F.Cu_SIG w0.15: 38.97,90.21 38.69,90.21
  F.Cu_SIG w0.152: 38.69,90.21 U3.3
/Raspberry_pi/QSPI_DATA_3: length 10.8
  F.Cu_SIG w0.152: U1.55 47.54,83.49 45.09,85.94 45.09,90.08 43.71,91.47
/Raspberry_pi/QSPI_SCK: length 9.3
  F.Cu_SIG w0.152: 43.97,90.21 44.72,89.45 44.72,85.7 47.14,83.28 U1.56
/Raspberry_pi/~{USB_BOOT}: length 1.6
  F.Cu_SIG w0.508: R1.2 30.94,94.97 SW1.1'
CGND: length 0.2
  F.Cu_SIG w0.25: v2(86.15,12.75) 86.17,12.77 C34.1
  F.Cu_SIG w0.508: 86.17,15.79 RJ1.13
Chassis_GND:
  vias: v1(6.74,66.11) v1(6.74,52.57) v1(6.74,47.41) v1(6.74,33.87) v1(6.84,28.41) v1(6.84,14.87) v1(6.92,84.8) v1(6.92,71.26) v1(26.99,50.09)
D+: length 9.6
  F.Cu_SIG w0.155: R5.1 49.61,88.56 49.61,90.94 49.54,91.01 J4.B6
  F.Cu_SIG w0.2: J4.A6 50.54,93.07 50.49,93.12 49.59,93.12 49.54,93.07 J4.B6
D-: length 9.3
  F.Cu_SIG w0.155: R6.1 48.49,86.95 49.96,88.42 49.96,90.94 50.04,91.01 J4.A7
  F.Cu_SIG w0.2: 50.06,92.07 J4.A7 50.04,91.12 50.09,91.07 50.99,91.07 51.04,91.12 J4.B7
GPIO14: length 47
  F.Cu_SIG w0.2: v1(46.33,76.26) 46.34,76.25 U1.18
  In3.Cu_SIG w0.152: CN1.13 16.22,92.94 36.97,92.94 46.49,83.41 46.49,76.43 v1(46.33,76.26)
GPIO15: length 47.8
  F.Cu_SIG w0.152: v1(47.27,76.34) 46.74,75.82 U1.19
  In3.Cu_SIG w0.152: v1(47.27,76.34) 46.61,75.69 45.51,75.69 42.4,78.79 42.4,81.4 35.45,88.36 18.8,88.36 CN1.15
GPIO22: length 56.6
  F.Cu_SIG w0.152: U1.34 52.49,77.07 v1(53.02,76.54)
  In2.Cu_PWR w0.152: v1(53.02,76.54) 54.57,74.98 54.57,72.13 55.17,71.54 56.87,71.54 73.73,54.67 95.88,54.67 J3.3
GPIO23: length 56
  F.Cu_SIG w0.152: U1.35 53.04,77.47 v1(53.8,76.71)
  In2.Cu_PWR w0.152: J3.5 95.94,57.15 73.65,57.15 58.9,71.89 55.31,71.89 55.31,75.2 v1(53.8,76.71)
GPIO24: length 53.1
  F.Cu_SIG w0.152: U1.36 53.64,77.87 v1(54.56,76.95)
  In2.Cu_PWR w0.152: v1(54.56,76.95) 54.65,76.95 71.91,59.69 95.94,59.69 J3.7
GPIO25: length 52.3
  F.Cu_SIG w0.152: v1(55.25,77.35) 55.08,77.52 54.6,77.52 53.86,78.27 U1.37
  In2.Cu_PWR w0.152: v1(55.25,77.35) 70.11,62.49 95.68,62.49 J3.9
GPIO28_ADC2: length 51.7
  F.Cu_SIG w0.152: v1(52.92,79.89) 52.54,80.27 U1.42
  In3.Cu_SIG w0.152: v1(52.92,79.89) 52.99,79.97 57.3,79.97 78.71,58.56 J3.8
GPIO29_ADC3: length 50.7
  F.Cu_SIG w0.152: U1.43 53.01,80.67 v1(53.02,80.68)
  In3.Cu_SIG w0.152: v1(53.02,80.68) 58.52,80.68 78.11,61.1 J3.10
GREEN_LED: length 51.9
  F.Cu_SIG w0.152: v1(56.39,27.61) 56.39,27.6 U4.25
  In3.Cu_SIG w0.152: v1(56.39,27.61) 56.02,27.24 56.02,16.23 57.88,14.38 90.52,14.38 93.49,17.35 RJ1.10
I2C0_SCL: length 70.1
  F.Cu_SIG w0.152: U1.8 44.09,78.67 v1(43.72,78.29)
  F.Cu_SIG w0.508: J2.3 86.41,75.83 R7.1
  B.Cu_SIG w0.2: v1(43.72,78.29) 42.95,78.29 42.52,78.73 42.52,79.54 41.38,80.68 41.38,82.92 42.77,84.31 45.25,84.31 49.28,88.35 85.83,88.35 86.37,87.81 86.37,78.21 J2.3
I2C0_SDA: length 65.1
  F.Cu_SIG w0.152: v1(43.2,78.9) 43.37,79.07 U1.7
  F.Cu_SIG w0.508: R9.1 84.01,78.39 J2.5
  B.Cu_SIG w0.2: J2.5 85.97,80.35 85.97,87.64 85.66,87.94 49.45,87.94 45.3,83.79 42.82,83.79 41.78,82.76 41.78,80.84 43.2,79.43 v1(43.2,78.9)
I2C1_SCL: length 65.5
  F.Cu_SIG w0.152: U1.5 43.63,79.87 v1(43.47,80.03)
  F.Cu_SIG w0.2: J2.7 82.84,79.76 82.84,77.22 J2.4
  F.Cu_SIG w0.508: J2.7 86.4,80.91 R10.1
  B.Cu_SIG w0.2: J2.7 85.57,82.49 85.57,87.04 85.06,87.54 49.62,87.54 45.46,83.39 42.99,83.39 42.19,82.59 42.19,81.26 43.42,80.03 v1(43.47,80.03)
I2C1_SDA: length 58.2
  F.Cu_SIG w0.152: v1(43.47,80.83) 43.48,80.83 44.04,80.27 U1.4
  F.Cu_SIG w0.2: J2.6 81.45,79.28 82.84,80.67 82.84,82.3 J2.9
  F.Cu_SIG w0.508: J2.9 86.41,83.45 R12.1
  B.Cu_SIG w0.2: J2.9 85.14,84.6 85.14,86.47 84.47,87.14 49.78,87.14 v1(43.47,80.83)
INTn: length 67
  F.Cu_SIG w0.152: U1.33 51.01,76.67 v1(50.79,76.89)
  F.Cu_SIG w0.254: 56.27,21.97 U4.36 54.87,20.45 v1(54.87,20.42)
  In2.Cu_PWR w0.152: v1(54.87,20.42) 53.79,20.42 53.79,20.66 53.46,21 53.26,21 45.27,28.99 45.27,70.99 50.29,76.01 50.29,76.38 v1(50.79,76.89)
